# Altium PCB DDR3.PcbDoc (part 1 of 6) (continued)
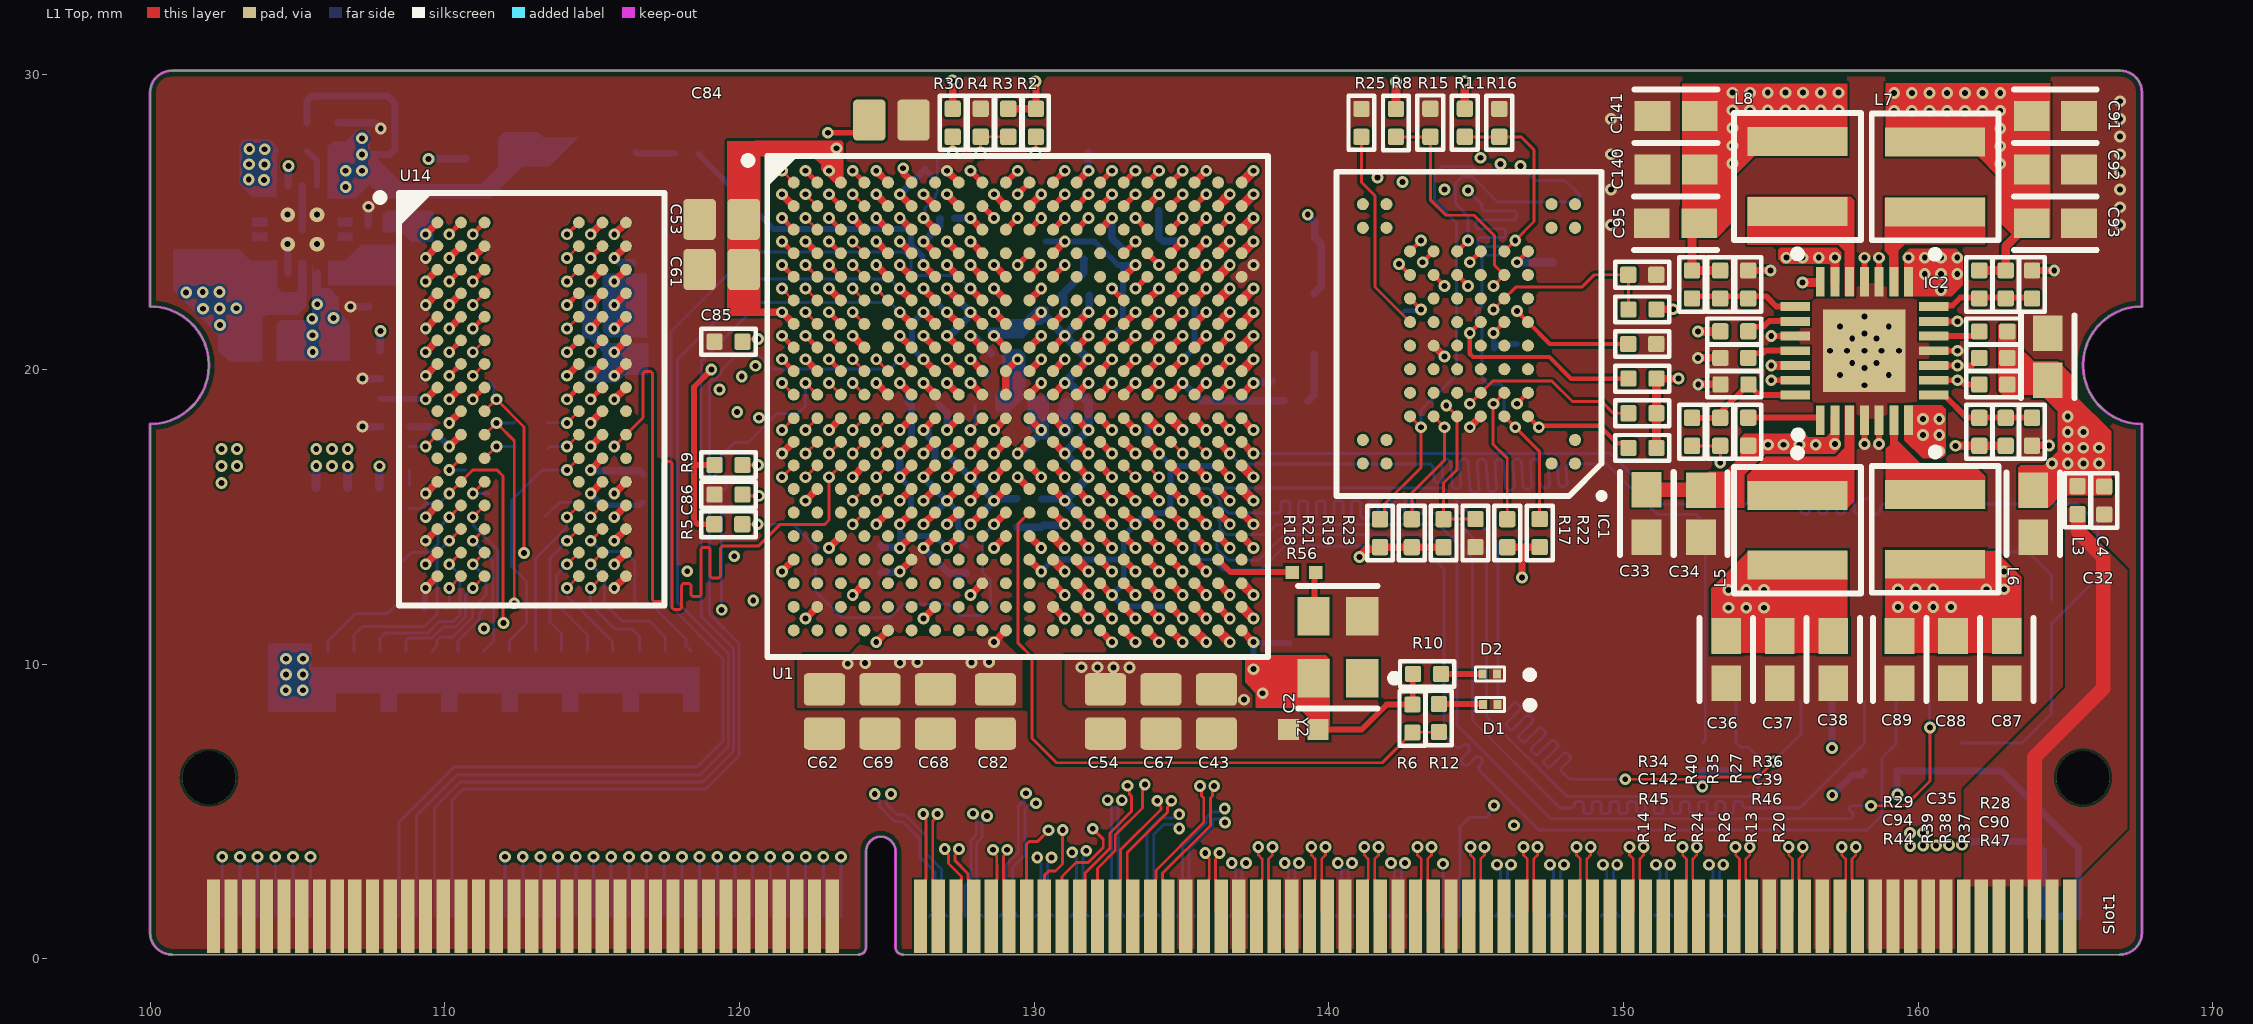
[diagram p0: L1 Top view]
## Components (designator, comment, footprint, x,y, rotation, side; value= is the part's Value field where it differs from the comment)
C1 "CAP 10nF 16V 0402(1005)" CAPC0402(1005)60_M 112.53,28.22 r270 bottom value=10nF
C2 "CAP 10nF 16V 0402(1005)" CAPC0402(1005)60_M 139.14,7.79 r0 top value=10nF
C3 "CAP 10nF 16V 0402(1005)" CAPC0402(1005)60_M 140.24,24.28 r180 bottom value=10nF
C4 "1µF" CAP0402i 166.32,15.56 r90 top value=1uF,10%,50V,X6S
C5 "0.1µF" CAP0402i 128.465,18.81 r180 bottom value=0.1µF,50V,X7R
C6 "4.7µF" CAP0402i 146.39,20.39 r90 bottom value="4.7µF, 10V, X5R"
C8 "" CAP0201I 142.55,21.68 r90 bottom value="47nF, 0201 X7R"
C9 "" CAP0201I 145.61,20.44 r90 bottom value="47nF, 0201 X7R"
C10 "" CAP0201I 109.351,12.98 r90 bottom value="47nF, 0201 X7R"
C11 "" CAP0201I 115.765,12.98 r90 bottom value="47nF, 0201 X7R"
C12 "" CAP0201I 115.289,21.377 r0 bottom value="47nF, 0201 X7R"
C13 "" CAP0201I 109.345,14.585 r90 bottom value="47nF, 0201 X7R"
C14 "" CAP0201I 115.765,14.582 r90 bottom value="47nF, 0201 X7R"
C15 "" CAP0201I 110.143,17.745 r270 bottom value="47nF, 0201 X7R"
C16 "" CAP0201I 115.755,19.396 r270 bottom value="47nF, 0201 X7R"
C17 "" CAP0201I 115.768,23.36 r270 bottom value="47nF, 0201 X7R"
C18 "" CAP0201I 115.33,24.6 r180 bottom value="47nF, 0201 X7R"
C19 "" CAP0201I 109.345,22.604 r90 bottom value="47nF, 0201 X7R"
C20 "" CAP0201I 109.346,24.206 r90 bottom value="47nF, 0201 X7R"
C21 "" CAP0201I 110.14,21.83 r90 bottom value="47nF, 0201 X7R"
C22 "" CAP0201I 110.147,18.64 r90 bottom value="47nF, 0201 X7R"
C23 "" CAP0201I 109.344,20.187 r90 bottom value="47nF, 0201 X7R"
C24 "GRM188R60J476ME15D" FP-GRM188-0_2-IPC_B 147.63,22.91 r270 bottom
C25 "" CAP0201I 110.56,23.78 r180 bottom value="47nF, 0201 X7R"
C26 "" CAP0201I 115.307,22.205 r0 bottom value="47nF, 0201 X7R"
C27 "" CAP0201I 114.562,19.783 r180 bottom value="47nF, 0201 X7R"
C28 "10nF" CAP0402i 108.839,18.542 r270 bottom value="10nF, 25V, NP0"
C29 "10nF" CAP0402i 107.823,18.542 r90 bottom value="10nF, 25V, NP0"
C30 "0.1µF" CAP0402i 108.053,8.128 r90 bottom value=0.1µF,50V,X7R
C31 "0.1µF" CAP0402i 112.18,8.128 r90 bottom value=0.1µF,50V,X7R
C32 "GRM188R60J106ME47D" FP-GRM188-0_1-e0_2_0_55-IPC_A 163.91,15.11 r270 top
C33 "GRM188R60J106ME47D" FP-GRM188-0_1-e0_2_0_55-IPC_A 150.79,15.12 r270 top
C34 "GRM188R60J106ME47D" FP-GRM188-0_1-e0_2_0_55-IPC_A 152.63,15.11 r270 top
C35 "GRM188R60J106ME47D" FP-GRM188-0_1-e0_2_0_55-IPC_A 164.4,20.44 r90 top
C36 "GRM188R60J106ME47D" FP-GRM188-0_1-e0_2_0_55-IPC_A 153.49,10.16 r270 top
C37 "GRM188R60J106ME47D" FP-GRM188-0_1-e0_2_0_55-IPC_A 155.308,10.16 r270 top
C38 "GRM188R60J106ME47D" FP-GRM188-0_1-e0_2_0_55-IPC_A 157.126,10.16 r270 top
C39 "1µF" CAP0402i 153.285,17.891 r270 top value=1uF,10%,50V,X6S
C40 "0.1µF" CAP0402i 114.243,8.128 r90 bottom value=0.1µF,50V,X7R
C41 "0.1µF" CAP0402i 103.48,15.524 r90 bottom value=0.1µF,50V,X7R
C42 "0.1µF" CAP0402i 106.705,15.524 r90 bottom value=0.1µF,50V,X7R
C43 "10µF" CAP0805i 136.19,8.4 r270 top value=10µF,25V,X7S
C44 "4.7µF" CAP0402i 129.37,21.91 r90 bottom value="4.7µF, 10V, X5R"
C45 "4.7µF" CAP0402i 130.25,15.128 r270 bottom value="4.7µF, 10V, X5R"
C46 "" CAP0201I 131.444,15.541 r0 bottom value="47nF, 0201 X7R"
C47 "" CAP0201I 131.026,16.735 r270 bottom value="47nF, 0201 X7R"
C48 "" CAP0201I 131.864,21.589 r270 bottom value="47nF, 0201 X7R"
C49 "" CAP0201I 126.657,17.958 r0 bottom value="47nF, 0201 X7R"
C50 "0.1µF" CAP0402i 128.87,19.84 r0 bottom value=0.1µF,50V,X7R
C51 "" CAP0201I 126.63,19.539 r0 bottom value="47nF, 0201 X7R"
C52 "4.7µF" CAP0402i 130.635,18.8 r180 bottom value="4.7µF, 10V, X5R"
C53 "10µF" CAP0805i 119.4,25.1 r0 top value=10µF,25V,X7S
C54 "10µF" CAP0805i 132.423,8.4 r270 top value=10µF,25V,X7S
C55 "4.7µF" CAP0402i 131.4,22.53 r180 bottom value="4.7µF, 10V, X5R"
C56 "" CAP0201I 130.639,19.534 r180 bottom value="47nF, 0201 X7R"
C57 "" CAP0201I 130.243,22.366 r90 bottom value="47nF, 0201 X7R"
C58 "" CAP0201I 128.629,21.565 r90 bottom value="47nF, 0201 X7R"
C59 "" CAP0201I 129.842,17.536 r45 bottom value="47nF, 0201 X7R"
C60 "4.7µF" CAP0402i 129.41,15.133 r90 bottom value="4.7µF, 10V, X5R"
C61 "10µF" CAP0805i 119.4,23.4 r0 top value=10µF,25V,X7S
C62 "10µF" CAP0805i 122.89,8.4 r270 top value=10µF,25V,X7S
C63 "4.7µF" CAP0402i 124.8,13.56 r270 bottom value="4.7µF, 10V, X5R"
C64 "" CAP0201I 132.12,27.37 r0 bottom value="47nF, 0201 X7R"
C65 "" CAP0201I 131.4,17.96 r0 bottom value="47nF, 0201 X7R"
C66 "4.7µF" CAP0402i 127.694,13.564 r90 bottom value="4.7µF, 10V, X5R"
C67 "10µF" CAP0805i 134.307,8.4 r90 top value=10µF,25V,X7S
C68 "10µF" CAP0805i 126.657,8.4 r90 top value=10µF,25V,X7S
C69 "10µF" CAP0805i 124.773,8.4 r270 top value=10µF,25V,X7S
C70 "4.7µF" CAP0402i 129.92,24.35 r180 bottom value="4.7µF, 10V, X5R"
C71 "4.7µF" CAP0402i 126.309,18.799 r0 bottom value="4.7µF, 10V, X5R"
C72 "" CAP0201I 131.71,24 r270 bottom value="47nF, 0201 X7R"
C73 "" CAP0201I 133.569,18.51 r180 bottom value="47nF, 0201 X7R"
C74 "" CAP0201I 124.99,19.56 r180 bottom value="47nF, 0201 X7R"
C75 "" CAP0201I 134.24,25.65 r270 bottom value="47nF, 0201 X7R"
C76 "" CAP0201I 133.008,23.849 r90 bottom value="47nF, 0201 X7R"
C77 "" CAP0201I 138.09,19.909 r90 bottom value="47nF, 0201 X7R"
C78 "" CAP0201I 127.06,25.13 r0 bottom value="47nF, 0201 X7R"
C79 "" CAP0201I 130.23,12.77 r270 bottom value="47nF, 0201 X7R"
C80 "4.7µF" CAP0402i 126.3,27.27 r90 bottom value="4.7µF, 10V, X5R"
C81 "4.7µF" CAP0402i 138.67,10.23 r270 bottom value="4.7µF, 10V, X5R"
C82 "10µF" CAP0805i 128.69,8.4 r270 top value=10µF,25V,X7S
C83 "" CAP0201I 126.64,22.34 r315 bottom value="47nF, 0201 X7R"
C84 "10µF" CAP0805i 125.16,28.47 r0 top value=10µF,25V,X7S
C85 "10nF" CAP0402i 119.63,20.95 r0 top value="10nF, 25V, NP0"
C86 "0.1µF" CAP0402i 119.63,15.76 r0 top value=0.1µF,50V,X7R
C87 "GRM188R60J106ME47D" FP-GRM188-0_1-e0_2_0_55-IPC_A 163.01,10.16 r270 top
C88 "GRM188R60J106ME47D" FP-GRM188-0_1-e0_2_0_55-IPC_A 161.192,10.16 r270 top
C89 "GRM188R60J106ME47D" FP-GRM188-0_1-e0_2_0_55-IPC_A 159.374,10.16 r270 top
C90 "22pF" cap0402i 162.976,17.891 r270 top value="22pF, 50V, X7R"
C91 "GRM188R60J106ME47D" FP-GRM188-0_1-e0_2_0_55-IPC_A 164.66,28.606 r0 top
C92 "GRM188R60J106ME47D" FP-GRM188-0_1-e0_2_0_55-IPC_A 164.66,26.788 r0 top
C93 "GRM188R60J106ME47D" FP-GRM188-0_1-e0_2_0_55-IPC_A 164.66,24.97 r0 top
C94 "22pF" cap0402i 162.974,22.894 r90 top value="22pF, 50V, X7R"
C95 "GRM188R60J106ME47D" FP-GRM188-0_1-e0_2_0_55-IPC_A 151.77,24.97 r180 top
C96 "0.1µF" CAP0402i 107.78,15.524 r90 bottom value=0.1µF,50V,X7R
C97 "0.1µF" CAP0402i 105.63,15.524 r90 bottom value=0.1µF,50V,X7R
C98 "4.7µF" CAP0402i 104.555,15.524 r90 bottom value="4.7µF, 10V, X5R"
C99 "4.7µF" CAP0402i 105.99,8.18 r90 bottom value="4.7µF, 10V, X5R"
C100 "4.7µF" CAP0402i 116.307,8.128 r90 bottom value="4.7µF, 10V, X5R"
C101 "0.1µF" CAP0402i 118.37,8.17 r90 bottom value=0.1µF,50V,X7R
C102 "0.1µF" CAP0402i 110.117,8.128 r90 bottom value=0.1µF,50V,X7R
C103 "0.1µF" CAP0402i 116.72,15.025 r90 bottom value=0.1µF,50V,X7R
C104 "10nF" CAP0402i 107.82,20.17 r90 bottom value="10nF, 25V, NP0"
C105 "10nF" CAP0402i 107.42,22.61 r90 bottom value="10nF, 25V, NP0"
C110 "4.7µF" CAP0402i 104.28,27.905 r270 bottom value="4.7µF, 10V, X5R"
C112 "GRM188R60J106ME47D" FP-GRM188-0_1-e0_2_0_55-IPC_A 103.29,20.08 r270 bottom
C113 "GRM32ER60J107ME20L" FP-GRM32-0_3-MFG 101.79,25.2 r90 bottom value=100uF
C114 "GRM188R60J476ME15D" FP-GRM188-0_2-IPC_B 110.73,27.85 r90 bottom
C115 "4.7µF" CAP0402i 116.54,21 r90 bottom value="4.7µF, 10V, X5R"
C116 "" CAP0201I 114.953,17.795 r270 bottom value="47nF, 0201 X7R"
C117 "" CAP0201I 116.389,23.382 r90 bottom value="47nF, 0201 X7R"
C120 "4.7µF" CAP0402i 106.38,27.905 r270 bottom value="4.7µF, 10V, X5R"
C121 "GRM188R60J106ME47D" FP-GRM188-0_1-e0_2_0_55-IPC_A 104.78,20.08 r270 bottom
C122 "GRM188R60J106ME47D" FP-GRM188-0_1-e0_2_0_55-IPC_A 106.27,20.08 r270 bottom
C140 "GRM188R60J106ME47D" FP-GRM188-0_1-e0_2_0_55-IPC_A 151.79,26.788 r180 top
C141 "GRM188R60J106ME47D" FP-GRM188-0_1-e0_2_0_55-IPC_A 151.79,28.606 r180 top
C142 "15pF" CAP0402i 153.285,22.89 r270 top value="15pF 50V -/+5 NP0"
D1 "APHHS1005CGCK" FP-APHHS1005CGCK-MFG 145.48,8.64 r180 top
D2 "APHHS1005CGCK" FP-APHHS1005CGCK-MFG 145.469,9.671 r180 top
FB1 "BLM15HD601SN1D" FP-BLM15-0_05-MFG 128.8,20.54 r0 bottom
FB2 "BLM15HD601SN1D" FP-BLM15-0_05-MFG 127.05,21.51 r270 bottom
IC1 "MT29F8G08ADADAH4-IT_D" BGA63C80P10X12_900X1100X100 144.761,21.215 r180 top locked
IC2 "MAX20029ATIF_V+" QFN50P500X500X80-29N 158.18,20.64 r90 top
J1 "47309-2285" 473092285 156.845,10.16 r0 bottom locked
L3 "FB_120@100MHz" CAP0402i 165.41,15.57 r90 top value="Ferrite Beads 120Ohm 100MHz 2A  0402"
L5 "XGL4030-152MEC" FP-XGL4030-MFG 155.91,14.55 r270 top
L6 "XGL4030-152MEC" FP-XGL4030-MFG 160.58,14.58 r270 top
L7 "XGL4030-152MEC" FP-XGL4030-MFG 160.58,26.54 r90 top
L8 "XGL4030-152MEC" FP-XGL4030-MFG 155.91,26.555 r90 top
R1 "ERJ2RKF33R0X" RESC1005X40X25LL05T05 118.21,27.33 r180 bottom
R2 "100 kOhms" RES0402i 130.063,28.38 r90 top value=100k,1%,62.5mW,50V
R3 "100 kOhms" RES0402i 129.126,28.38 r90 top value=100k,1%,62.5mW,50V
R4 "100 kOhms" RES0402i 128.19,28.38 r90 top value=100k,1%,62.5mW,50V
R5 "4.7K" RES0402i 119.626,14.754 r180 top value=4K7,1%,63mW,50V
R6 "330R" RES0402i 142.84,8.16 r270 top value=330R,1%,1/10W,50V
R7 "20kOhm" RES0402i 150.645,22.046 r0 top value=20K,1%,63mW,50V
R8 "20kOhm" RES0402i 142.28,28.376 r90 top value=20K,1%,63mW,50V
R9 "4.7K" RES0402i 119.63,16.765 r0 top value=4K7,1%,63mW,50V
R10 "330R" RES0402i 143.34,9.67 r180 top value=330R,1%,1/10W,50V
R11 "20kOhm" RES0402i 144.619,28.38 r90 top value=20K,1%,63mW,50V
R12 "330R" RES0402i 143.74,8.18 r270 top value=330R,1%,1/10W,50V
R13 "4.7K" RES0402i 150.645,18.52 r0 top value=4K7,1%,63mW,50V
R14 "20kOhm" RES0402i 150.641,23.22 r180 top value=20K,1%,63mW,50V
R15 "20kOhm" RES0402i 143.449,28.38 r270 top value=20K,1%,63mW,50V
R16 "20kOhm" RES0402i 145.79,28.376 r270 top value=20K,1%,63mW,50V
R17 "4.7K" RES0402i 146.06,14.451 r270 top value=4K7,1%,63mW,50V
R18 "4.7K" RES0402i 141.74,14.451 r270 top value=4K7,1%,63mW,50V
R19 "4.7K" RES0402i 143.9,14.451 r270 top value=4K7,1%,63mW,50V
R20 "4.7K" RES0402i 150.645,17.345 r0 top value=4K7,1%,63mW,50V
R21 "4.7K" RES0402i 142.82,14.451 r270 top value=4K7,1%,63mW,50V
R22 "4.7K" RES0402i 147.16,14.455 r270 top value=4K7,1%,63mW,50V
R23 "4.7K" RES0402i 144.979,14.455 r90 top value=4K7,1%,63mW,50V
R24 "0 Ohms" RES0402i 150.641,20.87 r180 top value=0R
R25 "0 Ohms" RES0402i 141.11,28.376 r270 top value=0R
R26 "20kOhm" RES0402i 150.645,19.696 r0 top value=20K,1%,63mW,50V
R27 "71.5K" RES0402i 153.77,19.5 r0 top value=71.5KR,1%,1/16W,50V
R28 "71.5K" RES0402i 163.869,17.895 r90 top value=71.5KR,1%,1/16W,50V
R29 "71.5K" RES0402i 163.87,22.89 r270 top value=71.5KR,1%,1/16W,50V
R30 "100 kOhms" RES0402i 127.24,28.38 r90 top value=100k,1%,62.5mW,50V
R34 "71.5K" RES0402i 154.24,22.89 r270 top value=71.5KR,1%,1/16W,50V
R35 "1MOhm" RES0402i 153.765,20.4 r0 top value=1M,1%,63mW,50V
R36 "0 Ohms" RES0402i 154.239,17.895 r90 top value=0R
R37 "10 kOhms" RES0402i 162.555,19.499 r180 top value="10k, 1%,  62.5mW, 50V"
R38 "10 kOhms" RES0402i 162.555,20.399 r180 top value="10k, 1%,  62.5mW, 50V"
R39 "10 kOhms" RES0402i 162.555,21.299 r180 top value="10k, 1%,  62.5mW, 50V"
R40 "10 kOhms" RES0402i 153.765,21.3 r0 top value="10k, 1%,  62.5mW, 50V"
R41 "10 kOhms" RES0402i 108.18,24.44 r270 bottom value="10k, 1%,  62.5mW, 50V"
R42 "10 kOhms" RES0402i 107.41,24.44 r270 bottom value="10k, 1%,  62.5mW, 50V"
R43 "100 kOhms" RES0402i 105.33,27.905 r270 bottom value=100k,1%,62.5mW,50V
R44 "54.9K" RES0402i 162.08,22.894 r90 top value="54.9K, 1%"
R45 "162K" RES0402i 152.329,22.894 r90 top value="162K ,1%"
R46 "1R" RES0402i 152.33,17.891 r270 top value="1R, 1%"
R47 "34K" RES0402i 162.081,17.891 r270 top value="34K, 1%"
R48 "ERJ2RKF33R0X" RESC1005X40X25LL05T05 164.53,11.78 r270 bottom
R56 "ERJ2RKF33R0X" RESC1005X40X25LL05T05 139.16,13.12 r0 top
R62 "ERJ2RKF33R0X" RESC1005X40X25LL05T05 138.9,18.94 r0 bottom
R86 "100 kOhms" RES0402i 159.284,6.85 r270 bottom value=100k,1%,62.5mW,50V
R87 "100 kOhms" RES0402i 160.382,6.85 r270 bottom value=100k,1%,62.5mW,50V
R88 "100 kOhms" RES0402i 152.68,6.85 r270 bottom value=100k,1%,62.5mW,50V
R89 "100 kOhms" RES0402i 153.82,6.87 r270 bottom value=100k,1%,62.5mW,50V
R90 "100 kOhms" RES0402i 158.187,6.85 r270 bottom value=100k,1%,62.5mW,50V
R91 "10 kOhms" RES0402i 161.48,6.85 r270 bottom value="10k, 1%,  62.5mW, 50V"
R93 "ERJ2RKF33R0X" RESC1005X40X25LL05T05 111.325,10.052 r90 bottom
R94 "ERJ2RKF33R0X" RESC1005X40X25LL05T05 113.964,10.052 r90 bottom
R95 "ERJ2RKF33R0X" RESC1005X40X25LL05T05 110.445,10.052 r90 bottom
R96 "ERJ2RKF33R0X" RESC1005X40X25LL05T05 106.045,10.052 r90 bottom
R97 "ERJ2RKF33R0X" RESC1005X40X25LL05T05 118.364,10.052 r90 bottom
R98 "ERJ2RKF33R0X" RESC1005X40X25LL05T05 106.925,10.052 r90 bottom
R99 "ERJ2RKF33R0X" RESC1005X40X25LL05T05 117.484,10.052 r90 bottom
R100 "ERJ2RKF33R0X" RESC1005X40X25LL05T05 107.805,10.052 r90 bottom
R101 "ERJ2RKF33R0X" RESC1005X40X25LL05T05 116.604,10.052 r90 bottom
R102 "ERJ2RKF33R0X" RESC1005X40X25LL05T05 109.565,10.052 r90 bottom
R103 "ERJ2RKF33R0X" RESC1005X40X25LL05T05 112.204,10.052 r90 bottom
R104 "ERJ2RKF33R0X" RESC1005X40X25LL05T05 114.844,10.052 r90 bottom
R105 "ERJ2RKF33R0X" RESC1005X40X25LL05T05 113.084,10.052 r90 bottom
R106 "ERJ2RKF33R0X" RESC1005X40X25LL05T05 108.685,10.052 r90 bottom
R107 "ERJ2RKF33R0X" RESC1005X40X25LL05T05 115.724,10.052 r90 bottom
R108 "ERJ2RKF33R0X" RESC1005X40X25LL05T05 108.8,15.69 r270 bottom
R109 "ERJ2RKF33R0X" RESC1005X40X25LL05T05 113.408,15.413 r270 bottom
R110 "ERJ2RKF33R0X" RESC1005X40X25LL05T05 111.5,15.4 r90 bottom
R111 "ERJ2RKF33R0X" RESC1005X40X25LL05T05 111.1,16.6 r180 bottom
R112 "ERJ-2RKF4701X" RESC1005X40X25LL05T05 109.7,11.9 r0 bottom
R113 "CRCW0402240RFKED" RESC1005X40X25ML05T05 116.73,16.95 r270 bottom value=240R
R114 "ERJ2RKF33R0X" RESC1005X40X25LL05T05 112.38,17 r90 bottom
R115 "ERJ2RKF33R0X" RESC1005X40X25LL05T05 112.39,18.62 r270 bottom
R116 "ERJ2RKF33R0X" RESC1005X40X25LL05T05 111.5,19.99 r270 bottom
R117 "ERJ2RKF33R0X" RESC1005X40X25LL05T05 108.8,17 r90 bottom
R118 "ERJ2RKF33R0X" RESC1005X40X25LL05T05 115.787,17.974 r270 bottom
R119 "CRCW040282R0FKED" RESC1005X40X25NL05T05 113.5,17.75 r270 bottom
Slot1 "DDR3" SODIMM_DDR3_EDGE 100,0.15 r0 top locked
U1 "XC7Z010-1CLG400I" CLG400 129.445,18.751 r0 top locked
U14 "MT41J256M16HA-107:E" MICT-HA-96 112.954,18.993 r0 top locked
U15 "TPS51200DRCRG4" TI-DRC10-2400X1650TP_V 105.17,24.76 r90 bottom
Y1 "ASE3-33.3333MHZ-LC-T" FP-ASE3-MFG 115.2,28.21 r0 bottom
Y2 "ASE-50.000MHZ-LR-T" FP-ASE-MFG 140.31,10.58 r90 top
Y3 "ASE-50.000MHZ-LR-T" FP-ASE-MFG 140.34,21.55 r270 bottom

## Footprints (in the part's own frame and the unit in brackets; to place one, negate y for a bottom-side part, rotate by r counter-clockwise, add the part's x,y. Pads: shape width x height; smd on the part's side, far side on the other; paste and mask are expansions set on the pad)
473092285 [mm]
  rect 1.2x3.79 smd: G1(-5.3,-1.055)
  rect 1.45x1.4 smd: G2(5.175,-0.3)
  rect 1x0.6 smd: G3(5.4,-1.55)
  rect 0.95x0.85 smd: G4(4.475,-2.525)
  rect 0.6x1.25 smd: P1(3.55,1.425) P2(2.45,1.425) P3(1.35,1.425) P4(0.25,1.425) P5(-0.85,1.425) P6(-1.95,1.425) P7(-3.05,1.425) P8(-4.15,1.425)
  silkscreen extent -5.7,-2.75 5.7,3.45, body extent -5.7,-2.84 5.7,2.66, height 2.85
BGA63C80P10X12_900X1100X100 [mm]
  round 0.41 smd: A1(-3.6,4.4) A2(-2.8,4.4) A9(2.8,4.4) A10(3.6,4.4) B1(-3.6,3.6) B9(2.8,3.6) B10(3.6,3.6) C3(-2,2.8) C4(-1.2,2.8) C5(-0.4,2.8) C6(0.4,2.8) C7(1.2,2.8) C8(2,2.8) D3(-2,2) D4(-1.2,2) D5(-0.4,2) D6(0.4,2) D7(1.2,2) D8(2,2) E3(-2,1.2) E4(-1.2,1.2) E5(-0.4,1.2) E6(0.4,1.2) E7(1.2,1.2) E8(2,1.2) F3(-2,0.4) F4(-1.2,0.4) F5(-0.4,0.4) F6(0.4,0.4) F7(1.2,0.4) F8(2,0.4) G3(-2,-0.4) G4(-1.2,-0.4) G5(-0.4,-0.4) G6(0.4,-0.4) G7(1.2,-0.4) G8(2,-0.4) H3(-2,-1.2) H4(-1.2,-1.2) H5(-0.4,-1.2) H6(0.4,-1.2) H7(1.2,-1.2) H8(2,-1.2) J3(-2,-2) J4(-1.2,-2) J5(-0.4,-2) J6(0.4,-2) J7(1.2,-2) J8(2,-2) K3(-2,-2.8) K4(-1.2,-2.8) K5(-0.4,-2.8) K6(0.4,-2.8) K7(1.2,-2.8) K8(2,-2.8) L1(-3.6,-3.6) L2(-2.8,-3.6) L9(2.8,-3.6) L10(3.6,-3.6) M1(-3.6,-4.4) M2(-2.8,-4.4) M9(2.8,-4.4) M10(3.6,-4.4)
  silkscreen extent -4.6,-5.5 4.5,5.6, body extent -4.5,-5.5 4.5,5.5, height 1
CAP0201I [mm]
  rect 0.27x0.3 smd mask+0.05: 1(-0.25,0) 2(0.25,0)
  silkscreen extent -0.49,-0.24 0.49,0.24, body extent -0.31,-0.17 0.29,0.16, height 0.31
CAP0402i [mm]
  rrect25% 0.55x0.55 smd paste+0 mask+0.07: 1(-0.475,0) 2(0.475,0)
  silkscreen extent -0.92,-0.44 0.92,0.44, body extent -0.5,-0.25 0.5,0.25, height 0.5
cap0402i [mm]
  rrect25% 0.55x0.55 smd paste+0 mask+0.07: 1(-0.475,0) 2(0.475,0)
  silkscreen extent -0.92,-0.44 0.92,0.44, body extent -0.5,-0.25 0.5,0.25, height 0.5
CAP0805i [mm]
  rrect25% 1.1x1.4 smd paste+0 mask+0: 1(-0.75,0) 2(0.75,0)
  body extent -1,-0.65 1,0.66, height 0.73
CAPC0402(1005)60_M [mm] "Chip Capacitor, Body 1.0x0.5mm, Height 0.6mm, IPC Low Density"
  rect 0.72x0.72 smd: 1(-0.5,0) 2(0.5,0)
  body extent -0.55,-0.3 0.55,0.3, height 0.6
CLG400 [mm]
  round 0.406 smd: A1(-7.6,7.6) A2(-6.8,7.6) A3(-6,7.6) A4(-5.2,7.6) A5(-4.4,7.6) A6(-3.6,7.6) A7(-2.8,7.6) A8(-2,7.6) A9(-1.2,7.6) A10(-0.4,7.6) A11(0.4,7.6) A12(1.2,7.6) A13(2,7.6) A14(2.8,7.6) A15(3.6,7.6) A16(4.4,7.6) A17(5.2,7.6) A18(6,7.6) A19(6.8,7.6) A20(7.6,7.6) B1(-7.6,6.8) B2(-6.8,6.8) B3(-6,6.8) B4(-5.2,6.8) B5(-4.4,6.8) B6(-3.6,6.8) B7(-2.8,6.8) B8(-2,6.8) B9(-1.2,6.8) B10(-0.4,6.8) B11(0.4,6.8) B12(1.2,6.8) B13(2,6.8) B14(2.8,6.8) B15(3.6,6.8) B16(4.4,6.8) B17(5.2,6.8) B18(6,6.8) B19(6.8,6.8) B20(7.6,6.8) C1(-7.6,6) C2(-6.8,6) C3(-6,6) C4(-5.2,6) C5(-4.4,6) C6(-3.6,6) C7(-2.8,6) C8(-2,6) C9(-1.2,6) C10(-0.4,6) C11(0.4,6) C12(1.2,6) C13(2,6) C14(2.8,6) C15(3.6,6) C16(4.4,6) C17(5.2,6) C18(6,6) C19(6.8,6) C20(7.6,6) D1(-7.6,5.2) D2(-6.8,5.2) D3(-6,5.2) D4(-5.2,5.2) D5(-4.4,5.2) D6(-3.6,5.2) D7(-2.8,5.2) D8(-2,5.2) D9(-1.2,5.2) D10(-0.4,5.2) D11(0.4,5.2) D12(1.2,5.2) D13(2,5.2) D14(2.8,5.2) D15(3.6,5.2) D16(4.4,5.2) D17(5.2,5.2) D18(6,5.2) D19(6.8,5.2) D20(7.6,5.2) E1(-7.6,4.4) E2(-6.8,4.4) E3(-6,4.4) E4(-5.2,4.4) E5(-4.4,4.4) E6(-3.6,4.4) E7(-2.8,4.4) E8(-2,4.4) E9(-1.2,4.4) E10(-0.4,4.4) E11(0.4,4.4) E12(1.2,4.4) E13(2,4.4) E14(2.8,4.4) E15(3.6,4.4) E16(4.4,4.4) E17(5.2,4.4) E18(6,4.4) E19(6.8,4.4) E20(7.6,4.4) F1(-7.6,3.6) F2(-6.8,3.6) F3(-6,3.6) F4(-5.2,3.6) F5(-4.4,3.6) F6(-3.6,3.6) F7(-2.8,3.6) F8(-2,3.6) F9(-1.2,3.6) F10(-0.4,3.6) F11(0.4,3.6) F12(1.2,3.6) F13(2,3.6) F14(2.8,3.6) F15(3.6,3.6) F16(4.4,3.6) F17(5.2,3.6) F18(6,3.6) F19(6.8,3.6) F20(7.6,3.6) G1(-7.6,2.8) G2(-6.8,2.8) G3(-6,2.8) G4(-5.2,2.8) G5(-4.4,2.8) G6(-3.6,2.8) G7(-2.8,2.8) G8(-2,2.8) G9(-1.2,2.8) G10(-0.4,2.8) G11(0.4,2.8) G12(1.2,2.8) G13(2,2.8) G14(2.8,2.8) G15(3.6,2.8) G16(4.4,2.8) G17(5.2,2.8) G18(6,2.8) G19(6.8,2.8) G20(7.6,2.8) H1(-7.6,2) H2(-6.8,2) H3(-6,2) H4(-5.2,2) H5(-4.4,2) H6(-3.6,2) H7(-2.8,2) H8(-2,2) H9(-1.2,2) H10(-0.4,2) H11(0.4,2) H12(1.2,2) H13(2,2) H14(2.8,2) H15(3.6,2) H16(4.4,2) H17(5.2,2) H18(6,2) H19(6.8,2) H20(7.6,2) J1(-7.6,1.2) J2(-6.8,1.2) J3(-6,1.2) J4(-5.2,1.2) J5(-4.4,1.2) J6(-3.6,1.2) J7(-2.8,1.2) J8(-2,1.2) J9(-1.2,1.2) J10(-0.4,1.2) J11(0.4,1.2) J12(1.2,1.2) J13(2,1.2) J14(2.8,1.2) J15(3.6,1.2) J16(4.4,1.2) J17(5.2,1.2) J18(6,1.2) J19(6.8,1.2) J20(7.6,1.2) K1(-7.6,0.4) K2(-6.8,0.4) K3(-6,0.4) K4(-5.2,0.4) K5(-4.4,0.4) K6(-3.6,0.4) K7(-2.8,0.4) K8(-2,0.4) K9(-1.2,0.4) K10(-0.4,0.4) K11(0.4,0.4) K12(1.2,0.4) K13(2,0.4) K14(2.8,0.4) K15(3.6,0.4) K16(4.4,0.4) K17(5.2,0.4) K18(6,0.4) K19(6.8,0.4) K20(7.6,0.4) L1(-7.6,-0.4) L2(-6.8,-0.4) L3(-6,-0.4) L4(-5.2,-0.4) L5(-4.4,-0.4) L6(-3.6,-0.4) L7(-2.8,-0.4) L8(-2,-0.4) L9(-1.2,-0.4) L10(-0.4,-0.4) L11(0.4,-0.4) L12(1.2,-0.4) L13(2,-0.4) L14(2.8,-0.4) L15(3.6,-0.4) L16(4.4,-0.4) L17(5.2,-0.4) L18(6,-0.4) L19(6.8,-0.4) L20(7.6,-0.4) M1(-7.6,-1.2) M2(-6.8,-1.2) M3(-6,-1.2) M4(-5.2,-1.2) M5(-4.4,-1.2) M6(-3.6,-1.2) M7(-2.8,-1.2) M8(-2,-1.2) M9(-1.2,-1.2) M10(-0.4,-1.2) M11(0.4,-1.2) M12(1.2,-1.2) M13(2,-1.2) M14(2.8,-1.2) M15(3.6,-1.2) M16(4.4,-1.2) M17(5.2,-1.2) M18(6,-1.2) M19(6.8,-1.2) M20(7.6,-1.2) N1(-7.6,-2) N2(-6.8,-2) N3(-6,-2) N4(-5.2,-2) N5(-4.4,-2) N6(-3.6,-2) N7(-2.8,-2) N8(-2,-2) N9(-1.2,-2) N10(-0.4,-2) N11(0.4,-2) N12(1.2,-2) N13(2,-2) N14(2.8,-2) N15(3.6,-2) N16(4.4,-2) N17(5.2,-2) N18(6,-2) N19(6.8,-2) N20(7.6,-2) P1(-7.6,-2.8) P2(-6.8,-2.8) P3(-6,-2.8) P4(-5.2,-2.8) P5(-4.4,-2.8) P6(-3.6,-2.8) P7(-2.8,-2.8) P8(-2,-2.8) P9(-1.2,-2.8) P10(-0.4,-2.8) P11(0.4,-2.8) P12(1.2,-2.8) P13(2,-2.8) P14(2.8,-2.8) P15(3.6,-2.8) P16(4.4,-2.8) P17(5.2,-2.8) P18(6,-2.8) P19(6.8,-2.8) P20(7.6,-2.8) R1(-7.6,-3.6) R2(-6.8,-3.6) R3(-6,-3.6) R4(-5.2,-3.6) R5(-4.4,-3.6) R6(-3.6,-3.6) R7(-2.8,-3.6) R8(-2,-3.6) R9(-1.2,-3.6) R10(-0.4,-3.6) R11(0.4,-3.6) R12(1.2,-3.6) R13(2,-3.6) R14(2.8,-3.6) R15(3.6,-3.6) R16(4.4,-3.6) R17(5.2,-3.6) R18(6,-3.6) R19(6.8,-3.6) R20(7.6,-3.6) T1(-7.6,-4.4) T2(-6.8,-4.4) T3(-6,-4.4) T4(-5.2,-4.4) T5(-4.4,-4.4) T6(-3.6,-4.4) T7(-2.8,-4.4) T8(-2,-4.4) T9(-1.2,-4.4) T10(-0.4,-4.4) T11(0.4,-4.4) T12(1.2,-4.4) T13(2,-4.4) T14(2.8,-4.4) T15(3.6,-4.4) T16(4.4,-4.4) T17(5.2,-4.4) T18(6,-4.4) T19(6.8,-4.4) T20(7.6,-4.4) U1(-7.6,-5.2) U2(-6.8,-5.2) U3(-6,-5.2) U4(-5.2,-5.2) U5(-4.4,-5.2) U6(-3.6,-5.2) U7(-2.8,-5.2) U8(-2,-5.2) U9(-1.2,-5.2) U10(-0.4,-5.2) U11(0.4,-5.2) U12(1.2,-5.2) U13(2,-5.2) U14(2.8,-5.2) U15(3.6,-5.2) U16(4.4,-5.2) U17(5.2,-5.2) U18(6,-5.2) U19(6.8,-5.2) U20(7.6,-5.2) V1(-7.6,-6) V2(-6.8,-6) V3(-6,-6) V4(-5.2,-6) V5(-4.4,-6) V6(-3.6,-6) V7(-2.8,-6) V8(-2,-6) V9(-1.2,-6) V10(-0.4,-6) V11(0.4,-6) V12(1.2,-6) V13(2,-6) V14(2.8,-6) V15(3.6,-6) V16(4.4,-6) V17(5.2,-6) V18(6,-6) V19(6.8,-6) V20(7.6,-6) W1(-7.6,-6.8) W2(-6.8,-6.8) W3(-6,-6.8) W4(-5.2,-6.8) W5(-4.4,-6.8) W6(-3.6,-6.8) W7(-2.8,-6.8) W8(-2,-6.8) W9(-1.2,-6.8) W10(-0.4,-6.8) W11(0.4,-6.8) W12(1.2,-6.8) W13(2,-6.8) W14(2.8,-6.8) W15(3.6,-6.8) W16(4.4,-6.8) W17(5.2,-6.8) W18(6,-6.8) W19(6.8,-6.8) W20(7.6,-6.8) Y1(-7.6,-7.6) Y2(-6.8,-7.6) Y3(-6,-7.6) Y4(-5.2,-7.6) Y5(-4.4,-7.6) Y6(-3.6,-7.6) Y7(-2.8,-7.6) Y8(-2,-7.6) Y9(-1.2,-7.6) Y10(-0.4,-7.6) Y11(0.4,-7.6) Y12(1.2,-7.6) Y13(2,-7.6) Y14(2.8,-7.6) Y15(3.6,-7.6) Y16(4.4,-7.6) Y17(5.2,-7.6) Y18(6,-7.6) Y19(6.8,-7.6) Y20(7.6,-7.6)
  silkscreen extent -9.27,-8.5 8.5,8.5, body extent -8.5,-8.5 8.5,8.5, height 1.6
FP-APHHS1005CGCK-MFG [mm]
  rect 0.27x0.3 smd paste+0 mask+0: 1(-0.25,0) 2(0.25,0)
  silkscreen extent -1.47,-0.24 0.49,0.24, body extent -0.9,-0.4 0.9,0.4, height 0.31
FP-ASE3-MFG [mm]
  rect 1.2x1 smd paste+0 mask+0: 1(-1.27,-0.825) 2(1.27,-0.825) 3(1.27,0.825) 4(-1.27,0.825)
  silkscreen extent -1.39,-2 0.3,1.35, body extent -1.6,-1.25 1.6,1.25, height 1.25
FP-ASE-MFG [mm]
  rect 1.3x1.1 smd paste+0 mask+0: 1(-1.05,-0.825) 2(1.05,-0.825) 3(1.05,0.825) 4(-1.05,0.825)
  silkscreen extent -2.07,-2.05 2.07,1.35, body extent -1.8,-1.48 1.8,1.48, height 0.25
FP-BLM15-0_05-MFG [mm]
  rect 0.27x0.3 smd mask+0.05: 1(-0.25,0) 2(0.25,0)
  silkscreen extent -0.49,-0.24 0.49,0.24, body extent -0.31,-0.17 0.29,0.16, height 0.31
FP-GRM32-0_3-MFG [mm]
  rect 1.1x2.05 smd paste+0 mask+0: 1(-1.65,0) 2(1.65,0)
  silkscreen extent -0.73,-1.35 0.72,1.35, body extent -1.6,-1.25 1.6,1.25, height 2.7
FP-GRM188-0_1-e0_2_0_55-IPC_A [mm]
  rect 1.208x1.012 smd paste+0 mask+0: 1(-0.802,0) 2(0.802,0)
  silkscreen extent -1.41,-0.91 1.41,0.91, body extent -1.91,-1.01 1.91,1.01, height 0.25
FP-GRM188-0_2-IPC_B [mm]
  rect 1.105x1.006 smd paste+0 mask+0: 1(-0.701,0) 2(0.701,0)
  silkscreen extent -1.25,-0.9 1.25,0.9, body extent -0.8,-0.4 0.8,0.4, height 1
FP-XGL4030-MFG [mm]
  rect 0.98x3.4 smd paste+0 mask+0: 1(-1.185,0) 2(1.185,0)
  silkscreen extent -2.75,-2.15 2.15,2.15, body extent -2.25,-2.25 2.25,2.25, height 0.25
MICT-HA-96 [mm] "BGA, 96-Balls, Body 14x9mm, Pitch 0.8mm"
  round 0.4 smd: A1(-3.2,6) A2(-2.4,6) A3(-1.6,6) A7(1.6,6) A8(2.4,6) A9(3.2,6) B1(-3.2,5.2) B2(-2.4,5.2) B3(-1.6,5.2) B7(1.6,5.2) B8(2.4,5.2) B9(3.2,5.2) C1(-3.2,4.4) C2(-2.4,4.4) C3(-1.6,4.4) C7(1.6,4.4) C8(2.4,4.4) C9(3.2,4.4) D1(-3.2,3.6) D2(-2.4,3.6) D3(-1.6,3.6) D7(1.6,3.6) D8(2.4,3.6) D9(3.2,3.6) E1(-3.2,2.8) E2(-2.4,2.8) E3(-1.6,2.8) E7(1.6,2.8) E8(2.4,2.8) E9(3.2,2.8) F1(-3.2,2) F2(-2.4,2) F3(-1.6,2) F7(1.6,2) F8(2.4,2) F9(3.2,2) G1(-3.2,1.2) G2(-2.4,1.2) G3(-1.6,1.2) G7(1.6,1.2) G8(2.4,1.2) G9(3.2,1.2) H1(-3.2,0.4) H2(-2.4,0.4) H3(-1.6,0.4) H7(1.6,0.4) H8(2.4,0.4) H9(3.2,0.4) J1(-3.2,-0.4) J2(-2.4,-0.4) J3(-1.6,-0.4) J7(1.6,-0.4) J8(2.4,-0.4) J9(3.2,-0.4) K1(-3.2,-1.2) K2(-2.4,-1.2) K3(-1.6,-1.2) K7(1.6,-1.2) K8(2.4,-1.2) K9(3.2,-1.2) L1(-3.2,-2) L2(-2.4,-2) L3(-1.6,-2) L7(1.6,-2) L8(2.4,-2) L9(3.2,-2) M1(-3.2,-2.8) M2(-2.4,-2.8) M3(-1.6,-2.8) M7(1.6,-2.8) M8(2.4,-2.8) M9(3.2,-2.8) N1(-3.2,-3.6) N2(-2.4,-3.6) N3(-1.6,-3.6) N7(1.6,-3.6) N8(2.4,-3.6) N9(3.2,-3.6) P1(-3.2,-4.4) P2(-2.4,-4.4) P3(-1.6,-4.4) P7(1.6,-4.4) P8(2.4,-4.4) P9(3.2,-4.4) R1(-3.2,-5.2) R2(-2.4,-5.2) R3(-1.6,-5.2) R7(1.6,-5.2) R8(2.4,-5.2) R9(3.2,-5.2) T1(-3.2,-6) T2(-2.4,-6) T3(-1.6,-6) T7(1.6,-6) T8(2.4,-6) T9(3.2,-6)
  silkscreen extent -5.27,-7 4.5,7, body extent -4.5,-7 4.5,7, height 0.1
QFN50P500X500X80-29N [mm]
  rect 1x0.3 smd: 1(-2.35,1.5) 2(-2.35,1) 3(-2.35,0.5) 4(-2.35,0) 5(-2.35,-0.5) 6(-2.35,-1) 7(-2.35,-1.5) 15(2.35,-1.5) 16(2.35,-1) 17(2.35,-0.5) 18(2.35,0) 19(2.35,0.5) 20(2.35,1) 21(2.35,1.5)
  rect 0.3x1 smd: 8(-1.5,-2.35) 9(-1,-2.35) 10(-0.5,-2.35) 11(0,-2.35) 12(0.5,-2.35) 13(1,-2.35) 14(1.5,-2.35) 22(1.5,2.35) 23(1,2.35) 24(0.5,2.35) 25(0,2.35) 26(-0.5,2.35) 27(-1,2.35) 28(-1.5,2.35)
  rect 2.8x2.8 smd: 29(0,0)
  silkscreen extent -2.97,2.12 -2.73,2.37, body extent -2.55,-2.55 2.55,2.55, height 0.8
RES0402i [mm]
  rrect25% 0.55x0.55 smd paste+0 mask+0.07: 1(-0.475,0) 2(0.475,0)
  silkscreen extent -0.92,-0.44 0.92,0.44, body extent -0.53,-0.24 0.47,0.26, height 0.3
RESC1005X40X25LL05T05 [mm] "Chip Resistor, 2-Leads, Body 1.00x0.50mm, IPC High Density"
  rect 0.45x0.45 smd: 1(-0.4,0) 2(0.4,0)
  body extent -0.53,-0.27 0.53,0.28, height 0.4
RESC1005X40X25ML05T05 [mm] "Chip Resistor, 2-Leads, Body 1.00x0.50mm, IPC Low Density"
  rect 0.65x0.65 smd: 1(-0.5,0) 2(0.5,0)
  body extent -0.53,-0.27 0.53,0.28, height 0.4
RESC1005X40X25NL05T05 [mm] "Chip Resistor, 2-Leads, Body 1.00x0.50mm, IPC Medium Density"
  rect 0.55x0.55 smd: 1(-0.45,0) 2(0.45,0)
  body extent -0.53,-0.27 0.53,0.28, height 0.4
SODIMM_DDR3_EDGE [mm]
  rect 0.45x2.5 smd paste-2.5: 1(2.15,1.3) 3(2.75,1.3) 5(3.35,1.3) 7(3.95,1.3) 9(4.55,1.3) 11(5.15,1.3) 13(5.75,1.3) 15(6.35,1.3) 17(6.95,1.3) 19(7.55,1.3) 21(8.15,1.3) 23(8.75,1.3) 25(9.35,1.3) 27(9.95,1.3) 29(10.55,1.3) 31(11.15,1.3) 33(11.75,1.3) 35(12.35,1.3) 37(12.95,1.3) 39(13.55,1.3) 41(14.15,1.3) 43(14.75,1.3) 45(15.35,1.3) 47(15.95,1.3) 49(16.55,1.3) 51(17.15,1.3) 53(17.75,1.3) 55(18.35,1.3) 57(18.95,1.3) 59(19.55,1.3) 61(20.15,1.3) 63(20.75,1.3) 65(21.35,1.3) 67(21.95,1.3) 69(22.55,1.3) 71(23.15,1.3) 73(26.15,1.3) 75(26.75,1.3) 77(27.35,1.3) 79(27.95,1.3) 81(28.55,1.3) 83(29.15,1.3) 85(29.75,1.3) 87(30.35,1.3) 89(30.95,1.3) 91(31.55,1.3) 93(32.15,1.3) 95(32.75,1.3) 97(33.35,1.3) 99(33.95,1.3) 101(34.55,1.3) 103(35.15,1.3) 105(35.75,1.3) 107(36.35,1.3) 109(36.95,1.3) 111(37.55,1.3) 113(38.15,1.3) 115(38.75,1.3) 117(39.35,1.3) 119(39.95,1.3) 121(40.55,1.3) 123(41.15,1.3) 125(41.75,1.3) 127(42.35,1.3) 129(42.95,1.3) 131(43.55,1.3) 133(44.15,1.3) 135(44.75,1.3) 137(45.35,1.3) 139(45.95,1.3) 141(46.55,1.3) 143(47.15,1.3) 145(47.75,1.3) 147(48.35,1.3) 149(48.95,1.3) 151(49.55,1.3) 153(50.15,1.3) 155(50.75,1.3) 157(51.35,1.3) 159(51.95,1.3) 161(52.55,1.3) 163(53.15,1.3) 165(53.75,1.3) 167(54.35,1.3) 169(54.95,1.3) 171(55.55,1.3) 173(56.15,1.3) 175(56.75,1.3) 177(57.35,1.3) 179(57.95,1.3) 181(58.55,1.3) 183(59.15,1.3) 185(59.75,1.3) 187(60.35,1.3) 189(60.95,1.3) 191(61.55,1.3) 193(62.15,1.3) 195(62.75,1.3) 197(63.35,1.3) 199(63.95,1.3) 201(64.55,1.3) 203(65.15,1.3)
  rect 0.45x2.5 smd far side paste-2.5: 2(2.45,1.3) 4(3.05,1.3) 6(3.65,1.3) 8(4.25,1.3) 10(4.85,1.3) 12(5.45,1.3) 14(6.05,1.3) 16(6.65,1.3) 18(7.25,1.3) 20(7.85,1.3) 22(8.45,1.3) 24(9.05,1.3) 26(9.65,1.3) 28(10.25,1.3) 30(10.85,1.3) 32(11.45,1.3) 34(12.05,1.3) 36(12.65,1.3) 38(13.25,1.3) 40(13.85,1.3) 42(14.45,1.3) 44(15.05,1.3) 46(15.65,1.3) 48(16.25,1.3) 50(16.85,1.3) 52(17.45,1.3) 54(18.05,1.3) 56(18.65,1.3) 58(19.25,1.3) 60(19.85,1.3) 62(20.45,1.3) 64(21.05,1.3) 66(21.65,1.3) 68(22.25,1.3) 70(22.85,1.3) 72(23.45,1.3) 74(26.45,1.3) 76(27.05,1.3) 78(27.65,1.3) 80(28.25,1.3) 82(28.85,1.3) 84(29.45,1.3) 86(30.05,1.3) 88(30.65,1.3) 90(31.25,1.3) 92(31.85,1.3) 94(32.45,1.3) 96(33.05,1.3) 98(33.65,1.3) 100(34.25,1.3) 102(34.85,1.3) 104(35.45,1.3) 106(36.05,1.3) 108(36.65,1.3) 110(37.25,1.3) 112(37.85,1.3) 114(38.45,1.3) 116(39.05,1.3) 118(39.65,1.3) 120(40.25,1.3) 122(40.85,1.3) 124(41.45,1.3) 126(42.05,1.3) 128(42.65,1.3) 130(43.25,1.3) 132(43.85,1.3) 134(44.45,1.3) 136(45.05,1.3) 138(45.65,1.3) 140(46.25,1.3) 142(46.85,1.3) 144(47.45,1.3) 146(48.05,1.3) 148(48.65,1.3) 150(49.25,1.3) 152(49.85,1.3) 154(50.45,1.3) 156(51.05,1.3) 158(51.65,1.3) 160(52.25,1.3) 162(52.85,1.3) 164(53.45,1.3) 166(54.05,1.3) 168(54.65,1.3) 170(55.25,1.3) 172(55.85,1.3) 174(56.45,1.3) 176(57.05,1.3) 178(57.65,1.3) 180(58.25,1.3) 182(58.85,1.3) 184(59.45,1.3) 186(60.05,1.3) 188(60.65,1.3) 190(61.25,1.3) 192(61.85,1.3) 194(62.45,1.3) 196(63.05,1.3) 198(63.65,1.3) 200(64.25,1.3) 202(64.85,1.3) 204(65.45,1.3)
  round 1.8 hole 1.8 paste-2539.97: Un1(2,6) Un2(65.6,6)
TI-DRC10-2400X1650TP_V [mm] "SON, 10-Leads, Body 3x3mm, Pitch 0.5mm, Thermal Pad 3x1.65mm"
  rect 0.85x0.28 smd: 1(-1.475,1) 2(-1.475,0.5) 3(-1.475,0) 4(-1.475,-0.5) 5(-1.475,-1) 6(1.475,-1) 7(1.475,-0.5) 8(1.475,0) 9(1.475,0.5) 10(1.475,1)
  rect 1.65x2.4 smd: 11(0,0)
  L1 Top region: -0.11,1.2 -0.11,1.7 -0.39,1.7 -0.39,1.2
  L1 Top region: 0.11,-1.2 0.11,-1.7 0.39,-1.7 0.39,-1.2
  L1 Top region: -0.11,-1.2 -0.11,-1.7 -0.39,-1.7 -0.39,-1.2
  L1 Top region: 0.11,1.2 0.11,1.7 0.39,1.7 0.39,1.2
  silkscreen extent -2,-1.55 1.55,1.6, body extent -1.5,-1.5 1.5,1.5, height 1